# KiCad board JumperlessRev3point1.kicad_pcb
title: Jumperless Rev 3.1; date: 2023-11-11; rev: 3.1; company: Architeuthis Flux; note: Kevin Santo Cappuccio; note: KevinC@ppucc.io
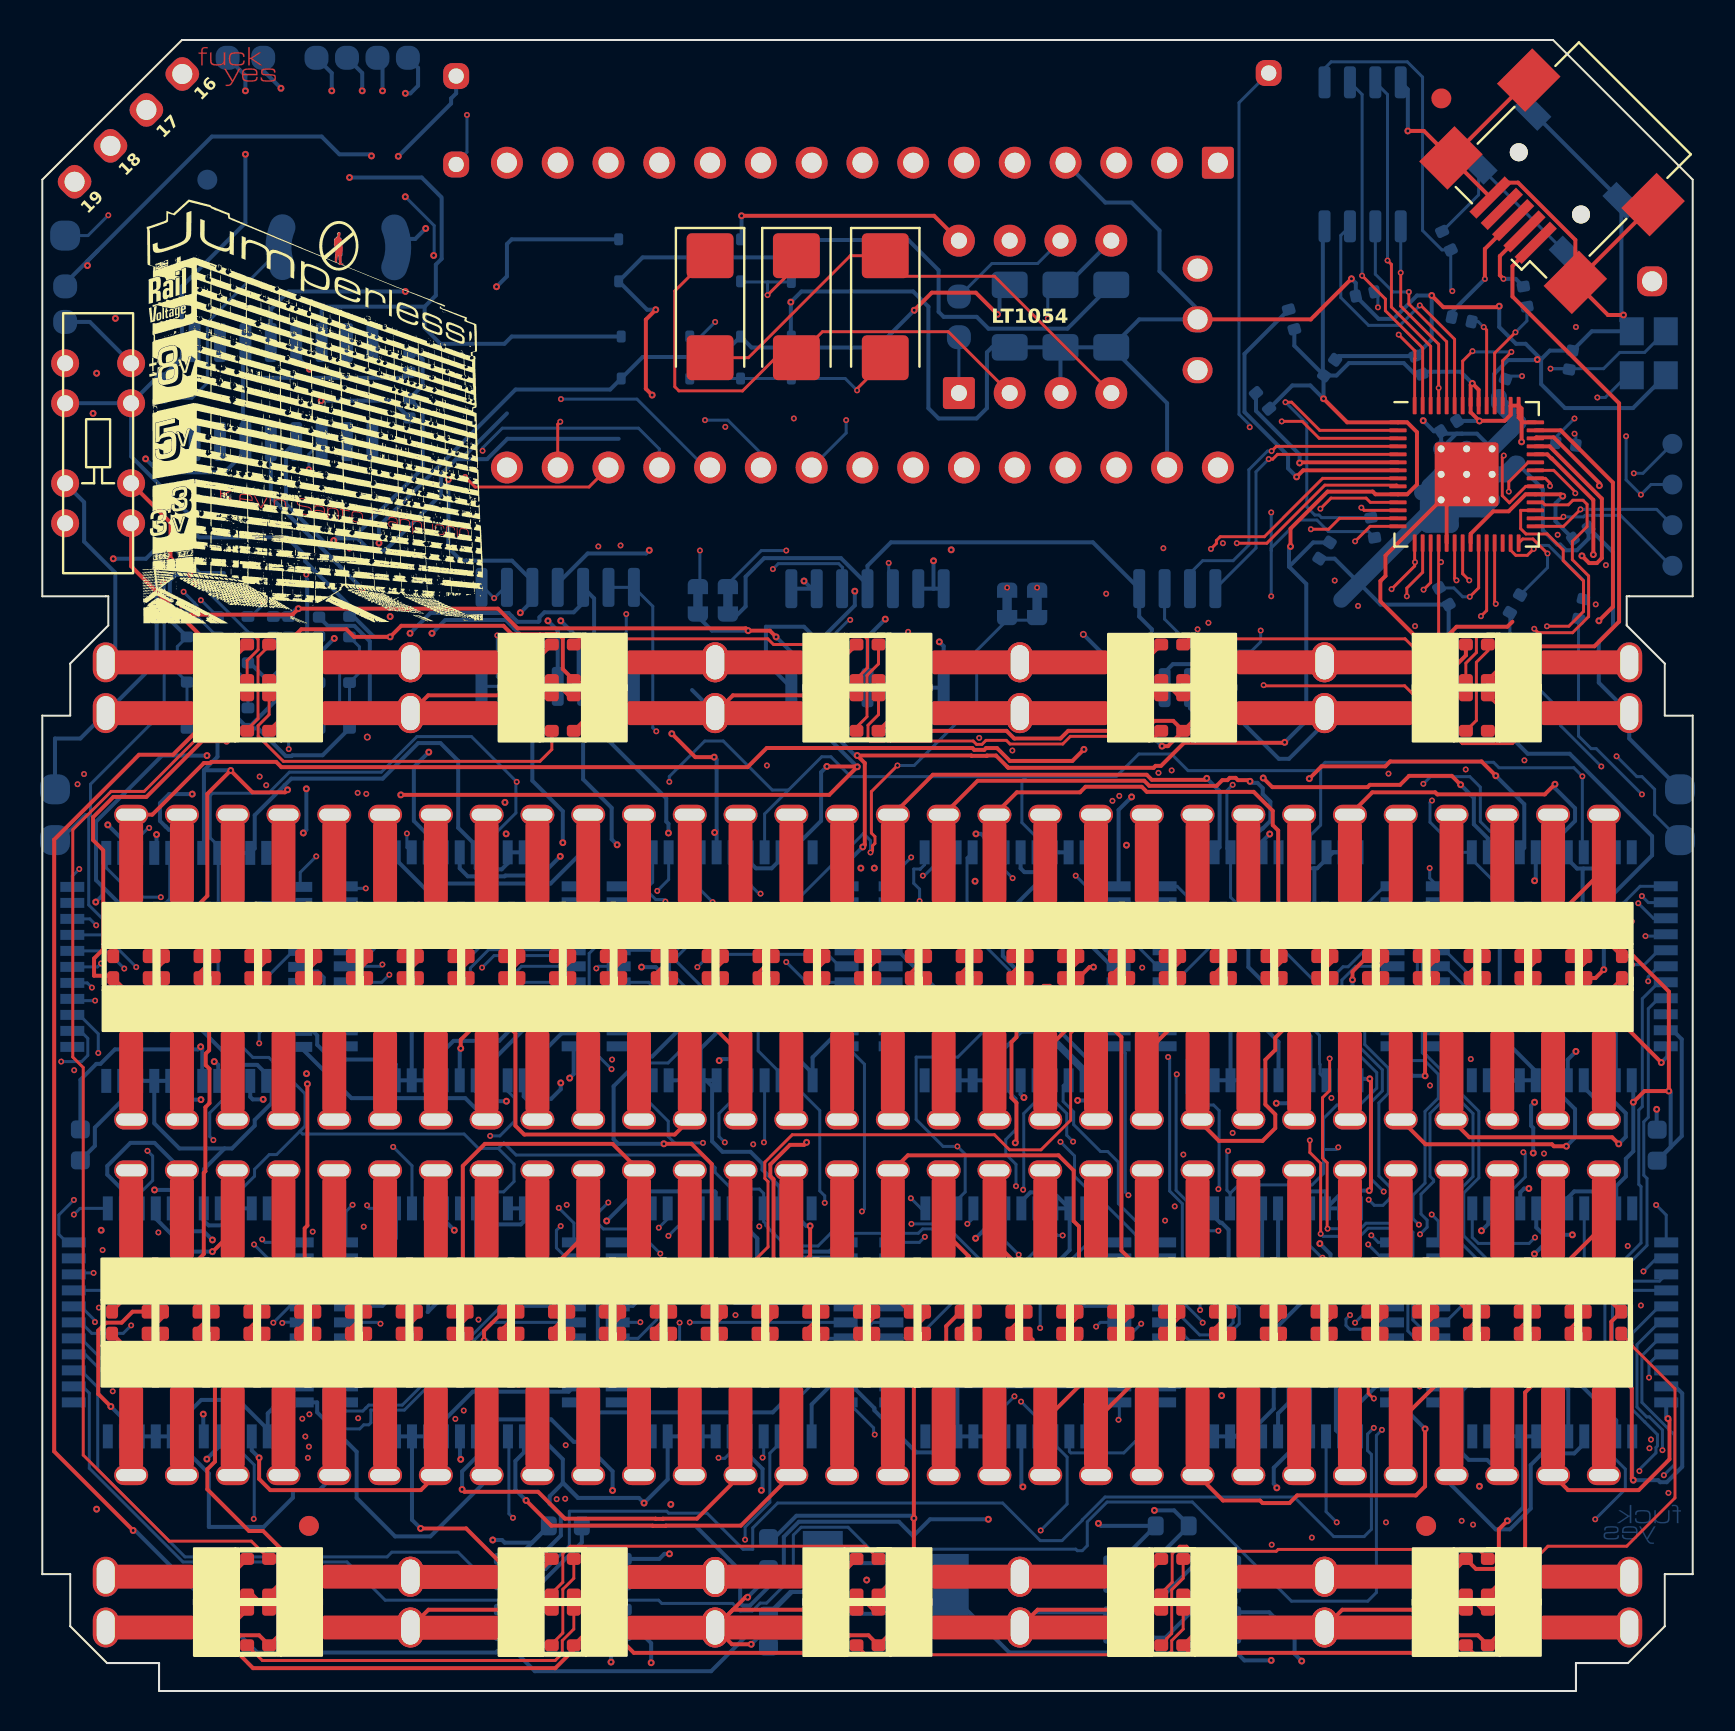
[diagram p0: board, top side]
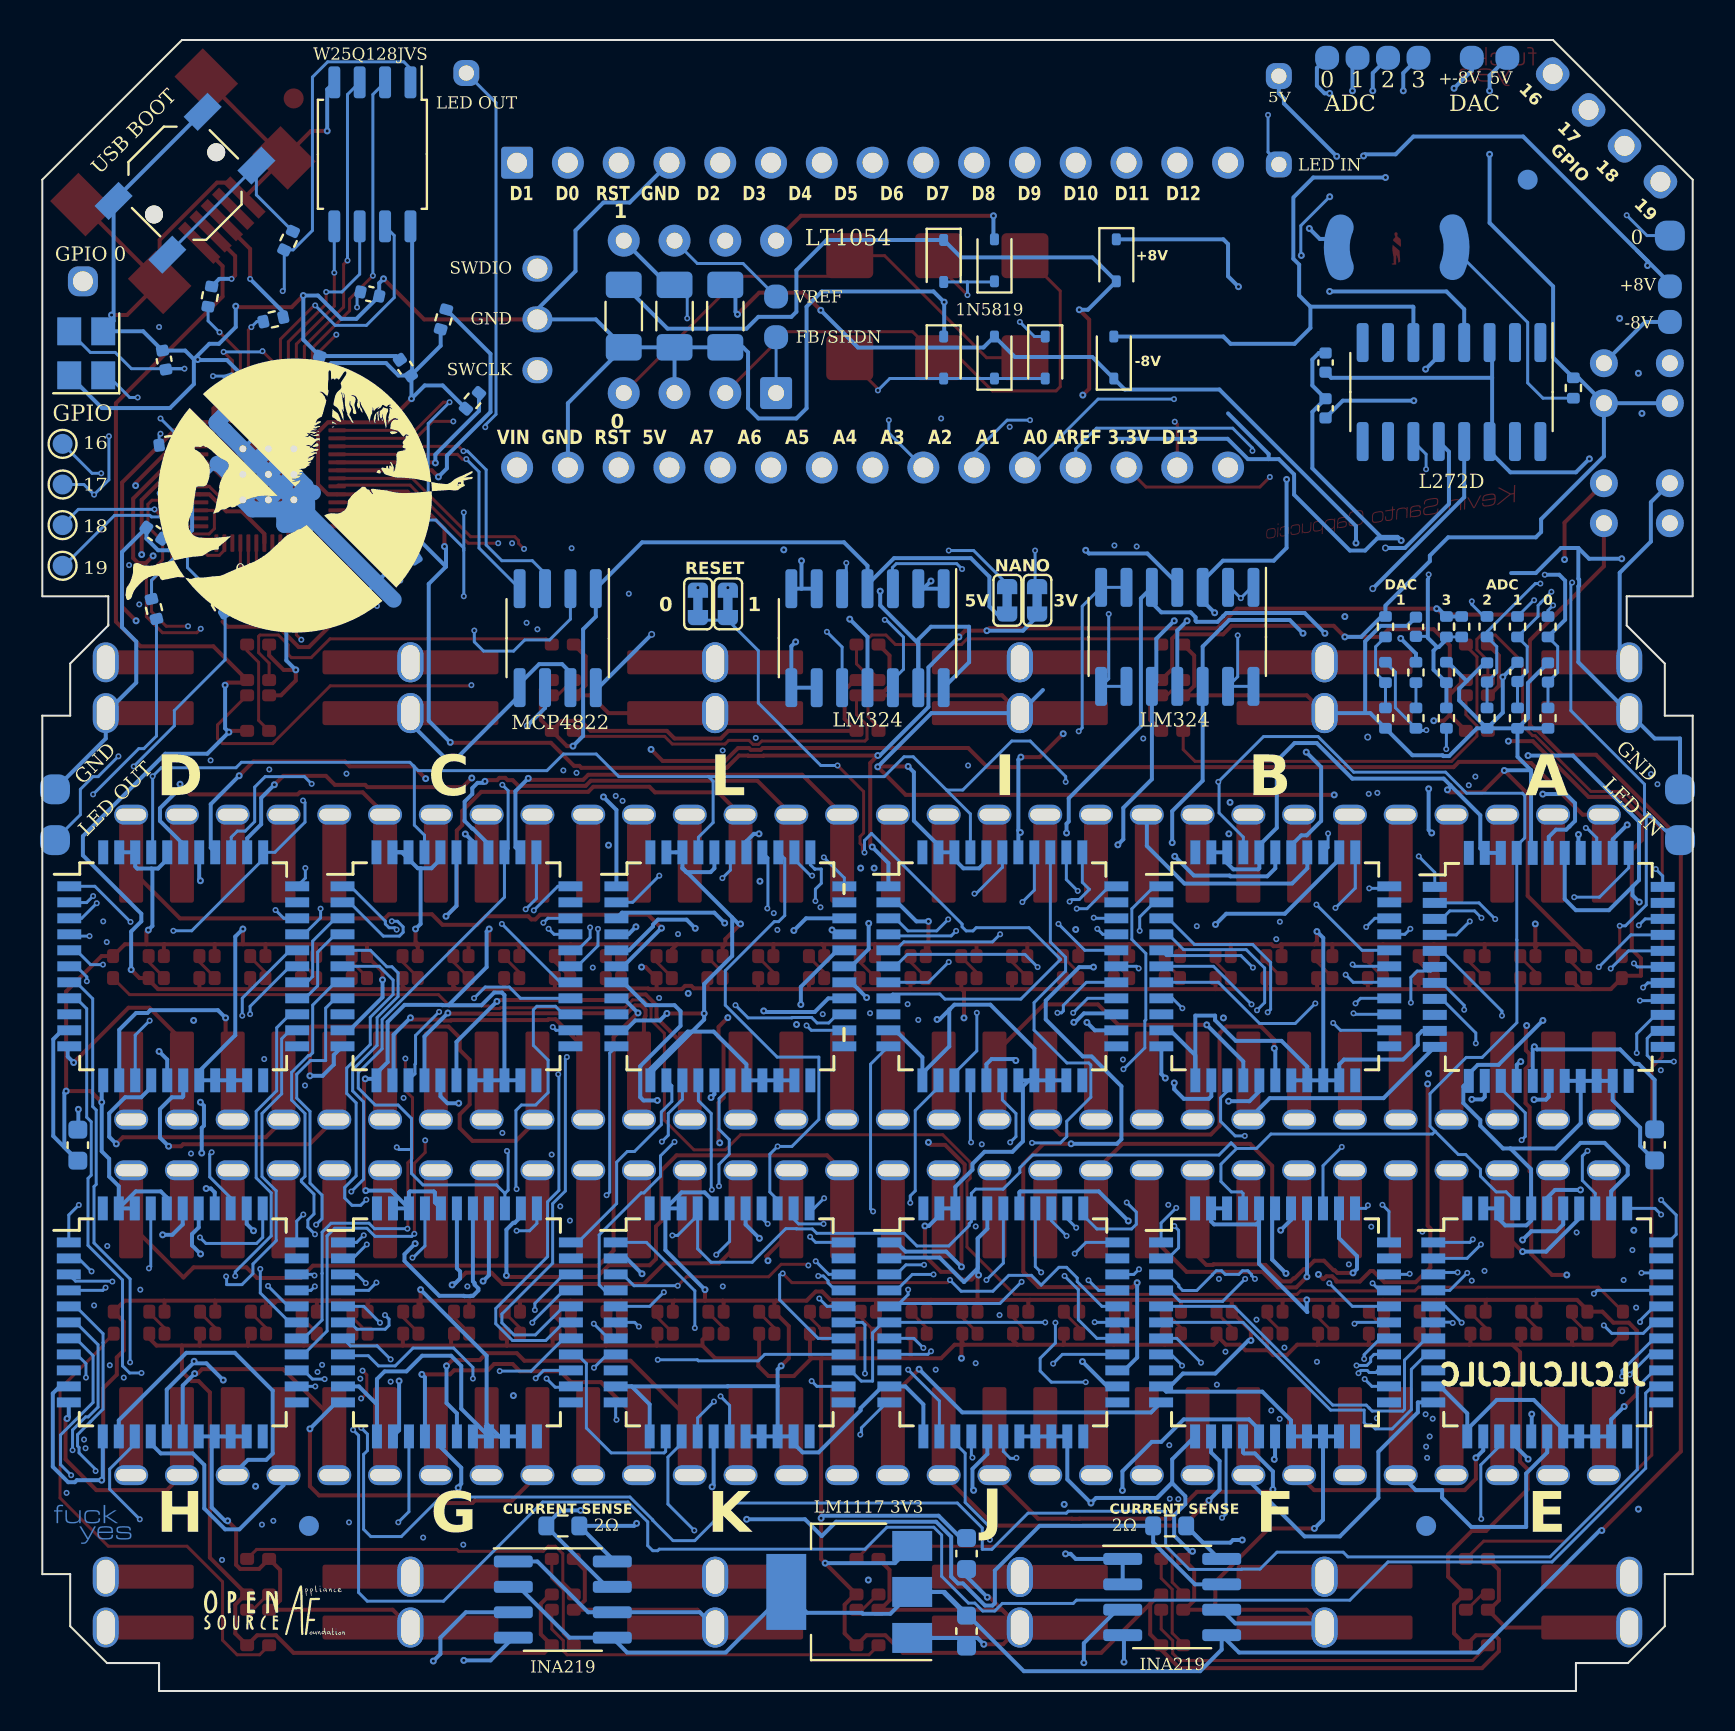
[diagram p1: board, bottom side, seen from below]

Outline 82.55 x 82.55 mm; copper layers: Top, In1.Cu, In2.Cu, Bottom. Coordinates in mm from the lower left corner of the outline.
Outline path: 0,75.56 6.98,82.55 75.56,82.55 82.55,75.56 82.55,54.74 79.25,54.74 79.25,53.28 81.15,51.37 81.15,48.77 82.55,48.77 82.55,5.84 81.15,5.84 81.15,3.24 79.31,1.4 76.71,1.4 76.71,0 5.84,0 5.84,1.4 3.24,1.4 1.4,3.24 1.4,5.84 0,5.84 0,48.77 1.4,48.77 1.4,51.37 3.3,53.28 3.3,54.74 0,54.74 0,75.56
Stack: Top 0.035mm / dielectric 0.1mm FR4 er 4.5 / In1.Cu 0.035mm / dielectric 1.24mm FR4 er 4.5 / In2.Cu 0.035mm / dielectric 0.1mm FR4 er 4.5 / Bottom 0.035mm

## Placement (name value [footprint] x y rotation side)
A1  Arduino_Nano_v3.x  [Arduino_Nano]  58.8 76.41 270 top
A2  CH446Q  [LQFP44_Tight]  6.79 36.61 180 bottom
B1  CH446Q  [LQFP44_Tight]  20.47 36.63 180 bottom
C1  100uF  [C_1206_3216Metric_Pad1.33x1.80mm_HandSolder]  53.47 68.75 270 bottom
C2  10uF  [CP_EIA-6032-20_AVX-F_Pad2.25x2.35mm_HandSolder]  37.72 69.22 270 top
C3  10uF  [CP_EIA-6032-20_AVX-F_Pad2.25x2.35mm_HandSolder]  33.4 69.22 270 top
C4  100uF  [C_1206_3216Metric_Pad1.33x1.80mm_HandSolder]  50.93 68.75 90 bottom
C5  10uF  [CP_EIA-6032-20_AVX-F_Pad2.25x2.35mm_HandSolder]  42.16 69.22 270 top
C6  100uF  [C_1206_3216Metric_Pad1.33x1.80mm_HandSolder]  48.39 68.75 90 bottom
C7  10u  [C_0603_1608Metric]  36.32 6.87 270 bottom
C8  10u  [C_0603_1608Metric]  36.32 3 270 bottom
C9  1u  [C_0402_1005Metric]  66.17 69.85 192.5 bottom
C10  .1uF  [C_0402_1005Metric]  18.36 64.13 90 bottom
C11  1u  [C_0402_1005Metric]  70.1 54.74 300 bottom
C12  1u  [C_0402_1005Metric]  64.39 66.17 55 bottom
C13  27p  [C_0402_1005Metric]  73.03 65.15 250 bottom
C14  27p  [C_0402_1005Metric]  76.45 66.55 80 bottom
C15  .1uF  [C_0402_1005Metric]  18.36 66.42 90 bottom
C16  10uF  [C_0603_1608Metric]  80.77 27.29 270 bottom
C17  27p  [C_0402_1005Metric]  7.24 50.93 90 bottom
C18  1u  [C_0402_1005Metric]  64.14 57.02 237.5 bottom
C19  1u  [C_0402_1005Metric]  68.83 66.29 110 bottom
C20  1u  [C_0402_1005Metric]  70.36 63.25 212.5 bottom
C21  1u  [C_0402_1005Metric]  76.95 57.89 35 bottom
C22  27p  [C_0402_1005Metric]  8.76 50.95 90 bottom
C23  27p  [C_0402_1005Metric]  10.29 50.93 90 bottom
C24  27p  [C_0402_1005Metric]  13.84 53.21 90 bottom
C25  10uF  [C_0603_1608Metric]  1.9 27.3 90 bottom
C26  CH446Q  [LQFP44_Tight]  61.43 36.64 180 bottom
D1  WS2812B  [LED_WS2812B-2020_PLCC4_2.0x2.0mm]  4.44 36.2 90 top
D2  WS2812B  [LED_WS2812B-2020_PLCC4_2.0x2.0mm]  6.98 36.2 90 top
D3  WS2812B  [LED_WS2812B-2020_PLCC4_2.0x2.0mm]  9.52 36.2 90 top
D4  WS2812B  [LED_WS2812B-2020_PLCC4_2.0x2.0mm]  12.06 36.2 90 top
D5  WS2812B  [LED_WS2812B-2020_PLCC4_2.0x2.0mm]  14.6 36.2 90 top
D6  WS2812B  [LED_WS2812B-2020_PLCC4_2.0x2.0mm]  17.14 36.2 90 top
D7  WS2812B  [LED_WS2812B-2020_PLCC4_2.0x2.0mm]  19.68 36.2 90 top
D8  WS2812B  [LED_WS2812B-2020_PLCC4_2.0x2.0mm]  22.22 36.2 90 top
D9  WS2812B  [LED_WS2812B-2020_PLCC4_2.0x2.0mm]  24.76 36.2 90 top
D10  WS2812B  [LED_WS2812B-2020_PLCC4_2.0x2.0mm]  27.3 36.2 90 top
D11  WS2812B  [LED_WS2812B-2020_PLCC4_2.0x2.0mm]  29.84 36.19 90 top
D12  WS2812B  [LED_WS2812B-2020_PLCC4_2.0x2.0mm]  32.39 36.19 90 top
D13  WS2812B  [LED_WS2812B-2020_PLCC4_2.0x2.0mm]  34.93 36.19 90 top
D14  WS2812B  [LED_WS2812B-2020_PLCC4_2.0x2.0mm]  37.47 36.19 90 top
D15  WS2812B  [LED_WS2812B-2020_PLCC4_2.0x2.0mm]  40.01 36.19 90 top
D16  WS2812B  [LED_WS2812B-2020_PLCC4_2.0x2.0mm]  42.55 36.19 90 top
D17  WS2812B  [LED_WS2812B-2020_PLCC4_2.0x2.0mm]  45.09 36.19 90 top
D18  WS2812B  [LED_WS2812B-2020_PLCC4_2.0x2.0mm]  47.63 36.19 90 top
D19  WS2812B  [LED_WS2812B-2020_PLCC4_2.0x2.0mm]  50.17 36.19 90 top
D20  WS2812B  [LED_WS2812B-2020_PLCC4_2.0x2.0mm]  52.71 36.19 90 top
D21  WS2812B  [LED_WS2812B-2020_PLCC4_2.0x2.0mm]  55.25 36.2 90 top
D22  WS2812B  [LED_WS2812B-2020_PLCC4_2.0x2.0mm]  57.8 36.2 90 top
D23  WS2812B  [LED_WS2812B-2020_PLCC4_2.0x2.0mm]  60.34 36.2 90 top
D24  WS2812B  [LED_WS2812B-2020_PLCC4_2.0x2.0mm]  62.88 36.2 90 top
D25  WS2812B  [LED_WS2812B-2020_PLCC4_2.0x2.0mm]  65.42 36.2 90 top
D26  WS2812B  [LED_WS2812B-2020_PLCC4_2.0x2.0mm]  67.96 36.2 90 top
D27  WS2812B  [LED_WS2812B-2020_PLCC4_2.0x2.0mm]  70.5 36.2 90 top
D28  WS2812B  [LED_WS2812B-2020_PLCC4_2.0x2.0mm]  73.04 36.2 90 top
D29  WS2812B  [LED_WS2812B-2020_PLCC4_2.0x2.0mm]  75.58 36.2 90 top
D30  WS2812B  [LED_WS2812B-2020_PLCC4_2.0x2.0mm]  78.12 36.2 90 top
D31  WS2812B  [LED_WS2812B-2020_PLCC4_2.0x2.0mm]  4.38 18.42 90 top
D32  WS2812B  [LED_WS2812B-2020_PLCC4_2.0x2.0mm]  6.93 18.42 90 top
D33  WS2812B  [LED_WS2812B-2020_PLCC4_2.0x2.0mm]  9.47 18.42 90 top
D34  WS2812B  [LED_WS2812B-2020_PLCC4_2.0x2.0mm]  12.01 18.42 90 top
D35  WS2812B  [LED_WS2812B-2020_PLCC4_2.0x2.0mm]  14.55 18.42 90 top
D36  WS2812B  [LED_WS2812B-2020_PLCC4_2.0x2.0mm]  17.09 18.42 90 top
D37  WS2812B  [LED_WS2812B-2020_PLCC4_2.0x2.0mm]  19.63 18.42 90 top
D38  WS2812B  [LED_WS2812B-2020_PLCC4_2.0x2.0mm]  22.17 18.42 90 top
D39  WS2812B  [LED_WS2812B-2020_PLCC4_2.0x2.0mm]  24.71 18.42 90 top
D40  WS2812B  [LED_WS2812B-2020_PLCC4_2.0x2.0mm]  27.25 18.42 90 top
D41  WS2812B  [LED_WS2812B-2020_PLCC4_2.0x2.0mm]  29.79 18.42 90 top
D42  WS2812B  [LED_WS2812B-2020_PLCC4_2.0x2.0mm]  32.34 18.41 90 top
D43  WS2812B  [LED_WS2812B-2020_PLCC4_2.0x2.0mm]  34.88 18.41 90 top
D44  WS2812B  [LED_WS2812B-2020_PLCC4_2.0x2.0mm]  37.42 18.41 90 top
D45  WS2812B  [LED_WS2812B-2020_PLCC4_2.0x2.0mm]  39.96 18.41 90 top
D46  WS2812B  [LED_WS2812B-2020_PLCC4_2.0x2.0mm]  42.5 18.41 90 top
D47  WS2812B  [LED_WS2812B-2020_PLCC4_2.0x2.0mm]  45.04 18.41 90 top
D48  WS2812B  [LED_WS2812B-2020_PLCC4_2.0x2.0mm]  47.58 18.41 90 top
D49  WS2812B  [LED_WS2812B-2020_PLCC4_2.0x2.0mm]  50.12 18.41 90 top
D50  WS2812B  [LED_WS2812B-2020_PLCC4_2.0x2.0mm]  52.67 18.41 90 top
D51  WS2812B  [LED_WS2812B-2020_PLCC4_2.0x2.0mm]  55.22 18.42 90 top
D52  WS2812B  [LED_WS2812B-2020_PLCC4_2.0x2.0mm]  57.77 18.42 90 top
D53  WS2812B  [LED_WS2812B-2020_PLCC4_2.0x2.0mm]  60.31 18.42 90 top
D54  WS2812B  [LED_WS2812B-2020_PLCC4_2.0x2.0mm]  62.85 18.42 90 top
D55  WS2812B  [LED_WS2812B-2020_PLCC4_2.0x2.0mm]  65.39 18.42 90 top
D56  WS2812B  [LED_WS2812B-2020_PLCC4_2.0x2.0mm]  67.93 18.42 90 top
D57  WS2812B  [LED_WS2812B-2020_PLCC4_2.0x2.0mm]  70.47 18.42 90 top
D58  WS2812B  [LED_WS2812B-2020_PLCC4_2.0x2.0mm]  73.01 18.42 90 top
D59  WS2812B  [LED_WS2812B-2020_PLCC4_2.0x2.0mm]  75.55 18.42 90 top
D60  WS2812B  [LED_WS2812B-2020_PLCC4_2.0x2.0mm]  78.09 18.42 90 top
D61  1N5819  [D_SOD-323]  37.47 71.5 270 bottom
D62  1N5819  [D_SOD-323]  34.92 71.53 90 bottom
D63  1N4148  [D_SOD-323]  28.83 71.53 270 bottom
D65  1N5819  [D_SOD-323]  32.39 66.67 270 bottom
D66  1N4148  [D_SOD-323]  28.96 66.67 90 bottom
D67  1N5819  [D_SOD-323]  34.92 66.67 90 bottom
D68  1N5819  [D_SOD-323]  37.47 66.67 270 bottom
D70  CH446Q  [LQFP44_Tight]  75.09 36.64 180 bottom
D71  WS2812B  [LED_WS2812B-2020_PLCC4_2.0x2.0mm]  71.75 3.17 180 top
D72  WS2812B  [LED_WS2812B-2020_PLCC4_2.0x2.0mm]  71.75 5.72 180 top
D73  WS2812B  [LED_WS2812B-2020_PLCC4_2.0x2.0mm]  56.52 5.72 180 top
D74  WS2812B  [LED_WS2812B-2020_PLCC4_2.0x2.0mm]  56.52 3.17 180 top
D75  WS2812B  [LED_WS2812B-2020_PLCC4_2.0x2.0mm]  41.28 3.17 180 top
D76  WS2812B  [LED_WS2812B-2020_PLCC4_2.0x2.0mm]  41.28 5.72 180 top
D77  WS2812B  [LED_WS2812B-2020_PLCC4_2.0x2.0mm]  26.04 5.72 180 top
D78  WS2812B  [LED_WS2812B-2020_PLCC4_2.0x2.0mm]  26.04 3.17 180 top
D79  WS2812B  [LED_WS2812B-2020_PLCC4_2.0x2.0mm]  10.79 3.17 180 top
D80  WS2812B  [LED_WS2812B-2020_PLCC4_2.0x2.0mm]  10.79 5.72 180 top
D81  WS2812B  [LED_WS2812B-2020_PLCC4_2.0x2.0mm]  10.79 51.43 180 top
D82  WS2812B  [LED_WS2812B-2020_PLCC4_2.0x2.0mm]  10.79 48.89 180 top
D83  WS2812B  [LED_WS2812B-2020_PLCC4_2.0x2.0mm]  26.04 48.89 180 top
D84  WS2812B  [LED_WS2812B-2020_PLCC4_2.0x2.0mm]  26.04 51.43 180 top
D85  WS2812B  [LED_WS2812B-2020_PLCC4_2.0x2.0mm]  41.28 51.43 180 top
D86  WS2812B  [LED_WS2812B-2020_PLCC4_2.0x2.0mm]  41.28 48.89 180 top
D87  WS2812B  [LED_WS2812B-2020_PLCC4_2.0x2.0mm]  56.52 48.89 180 top
D88  WS2812B  [LED_WS2812B-2020_PLCC4_2.0x2.0mm]  56.52 51.43 180 top
D89  WS2812B  [LED_WS2812B-2020_PLCC4_2.0x2.0mm]  71.75 51.43 180 top
D90  WS2812B  [LED_WS2812B-2020_PLCC4_2.0x2.0mm]  71.75 48.89 180 top
D91  LED  [LED_PLCC2_reversemount]  14.81 72.19 0 bottom
E1  CH446Q  [LQFP44_Tight]  6.87 18.83 180 bottom
F5  CH446Q  [LQFP44_Tight]  20.48 18.83 180 bottom
FID1  Fiducial  [Fiducial_1mm_Mask2mm]  13.33 8.25 0 top
FID2  Fiducial  [Fiducial_1mm_Mask2mm]  13.33 8.25 180 bottom
FID3  Fiducial  [Fiducial_1mm_Mask2mm]  69.22 8.25 180 bottom
FID4  Fiducial  [Fiducial_1mm_Mask2mm]  8.25 75.56 180 bottom
FID5  Fiducial  [Fiducial_1mm_Mask2mm]  69.22 8.25 0 top
FID6  Fiducial  [Fiducial_1mm_Mask2mm]  69.98 79.63 0 top
G1  CH446Q  [LQFP44_Tight]  61.4 18.83 180 bottom
H1  CH446Q  [LQFP44_Tight]  75.12 18.83 180 bottom
I1  CH446Q  [LQFP44_Tight]  34.12 36.63 180 bottom
J1  Debug  [PinHeader_1x03_P2.54mm_Vertical]  57.78 66.04 180 top
J4  Breadboard  [Breadboard_CustomClips_Fallback]  41.28 27.3 0 top
J5  USB_B_Mini  [USB_Mini-B_Wuerth_65100516121_Horizontal]  75.41 75.38 135 top
J6  CH446Q  [LQFP44_Tight]  34.07 18.83 180 bottom
J7  Conn_01x04_Pin  [GPIO_header]  4.31 78.16 225 top
J14  5V  [PINHEADER-1x1_vertical]  20.7 80.75 0 top
JP1  NANO 3V3  [SolderJumper_2_Bridged_Small]  32.79 54.53 90 bottom
JP2  NANO 5V  [SolderJumper_2_Bridged_Small]  34.29 54.53 90 bottom
JP13  Jumper_2_Bridged  [SolderJumper_2_Bridged_Small]  49.76 54.36 90 bottom
JP14  Jumper_2_Bridged  [SolderJumper_2_Bridged_Small]  48.26 54.36 90 bottom
K1  CH446Q  [LQFP44_Tight]  47.76 18.83 180 bottom
L1  CH446Q  [LQFP44_Tight]  47.73 36.63 180 bottom
R1  2Ω  [R_0603_1608Metric]  26.16 8.25 0 bottom
R2  22R  [R_0402_1005Metric]  70.99 68.58 347.5 bottom
R3  22R  [R_0402_1005Metric]  74.17 69.72 280 bottom
R4  2Ω  [R_0603_1608Metric]  56.52 8.25 0 bottom
R5  1k  [R_0402_1005Metric]  70.23 72.52 115 bottom
R6  1K  [R_0402_1005Metric]  7.24 53.21 270 bottom
R7  1K  [R_0402_1005Metric]  66.55 58.17 280 bottom
R8  1K  [R_0402_1005Metric]  8.76 53.21 270 bottom
R9  1K  [R_0402_1005Metric]  73.66 54.36 240 bottom
R10  1K  [R_0402_1005Metric]  10.29 53.22 270 bottom
R11  1K  [R_0402_1005Metric]  76.96 54.1 256 bottom
R12  1k  [R_0402_1005Metric]  76.2 62.36 352.5 bottom
R13  47K  [R_0402_1005Metric]  15.37 53.21 90 bottom
R14  47K  [R_0402_1005Metric]  12.32 53.21 270 bottom
R15  10K  [R_0402_1005Metric]  15.37 50.93 90 bottom
R16  47K  [R_0402_1005Metric]  13.84 50.93 90 bottom
R17  68K  [R_0402_1005Metric]  12.32 48.64 90 bottom
R18  56.2K  [R_0402_1005Metric]  15.37 48.64 90 bottom
R19  47K  [R_0402_1005Metric]  12.32 50.93 90 bottom
R20  56.2K  [R_0402_1005Metric]  13.84 48.64 90 bottom
R21  2K  [R_0402_1005Metric]  7.24 48.64 270 bottom
R22  2K  [R_0402_1005Metric]  8.76 48.64 270 bottom
R23  2K  [R_0402_1005Metric]  10.29 48.64 270 bottom
R24  1K  [R_0402_1005Metric]  5.97 65.15 90 bottom
R26  2K  [R_0402_1005Metric]  62.48 68.58 106 bottom
R27  2K  [R_0402_1005Metric]  61.03 64.51 130 bottom
R29  68K  [R_0402_1005Metric]  11.56 53.21 270 bottom
SW1  USB BOOT  [SW_SPST_TL3342]  75.41 75.39 135 bottom
SW2  SW_DP3T  [Slide_Switch_SSSS223600]  2.79 66.39 0 top
TP1  GPIO 16  [TestPoint_Pad_D1.0mm]  81.53 62.36 180 bottom
TP2  GPIO 17  [TestPoint_Pad_D1.0mm]  81.53 60.32 180 bottom
TP3  GPIO 18  [TestPoint_Pad_D1.0mm]  81.53 58.29 180 bottom
TP4  GPIO 19  [TestPoint_Pad_D1.0mm]  81.53 56.26 180 bottom
TP5  FB/SHDN  [TestPoint_D0.75mm]  45.85 67.69 180 bottom
TP6  VREF  [TestPoint_D0.75mm]  45.85 69.72 180 bottom
TP7  0-5V DAC  [TestPoint_D0.75mm]  9.27 81.66 180 bottom
TP8  +-8V DAC  [TestPoint_D0.75mm]  11.05 81.66 180 bottom
TP9  ADC 0 IN  [TestPoint_D0.75mm]  18.29 81.66 180 bottom
TP10  ADC 1 IN  [TestPoint_D0.75mm]  16.76 81.66 180 bottom
TP11  ADC 2 IN  [TestPoint_D0.75mm]  15.24 81.66 180 bottom
TP12  ADC 3 IN  [TestPoint_D0.75mm]  13.72 81.66 180 bottom
TP13  -8V  [TestPoint_D0.75mm]  1.14 68.45 270 bottom
TP14  +8V  [TestPoint_D0.75mm]  1.14 70.23 0 bottom
TP15  LED OUT  [TestPoint_Pad_D1.0mm#2]  81.92 42.55 90 bottom
TP16  GPIO 0  [TestPoint_Pad_D1.0mm#2]  1.14 72.77 0 bottom
TP17  LED IN  [TestPoint_Pad_D1.0mm#2]  0.63 42.55 0 bottom
TP18  GPIO 0  [PINHEADER-1x1_vertical#2]  80.52 70.48 0 top
TP19  GND  [TestPoint_Pad_D1.0mm#2]  81.92 45.09 0 bottom
TP20  LED OUT  [PINHEADER-1x1_vertical]  61.34 80.9 0 top
TP21  LED IN  [PINHEADER-1x1_vertical]  20.7 76.33 0 top
TP22  TestPoint  [BackMaskWindows]  23.5 59.05 0 bottom
TP23  TestPoint  [BackMaskWindows]  23.5 80.78 0 bottom
TP25  GND  [TestPoint_Pad_D1.0mm#2]  0.63 45.09 0 bottom
U1  LT1054  [DIP-8_W7.62mm]  45.85 64.9 90 top
U2  NCP1117-3.3_SOT223  [SOT-223-3_TabPin2]  42.19 4.95 0 bottom
U4  INA219  [SOIC-8_3.9x4.9mm_P1.27mm]  26.04 4.7 180 bottom
U6  INA219  [SOIC-8_3.9x4.9mm_P1.27mm]  56.52 4.57 180 bottom
U7  LM324  [SOIC-14_3.9x8.7mm_P1.27mm]  25.78 52.7 270 bottom
U8  W25Q128JVS  [SOIC-8_5.23x5.23mm_P1.27mm]  66.04 76.83 270 bottom
U9  RP2040  [RP2040-QFN-56]  71.24 60.83 0 top
U10  L272D  [SOIC-16_3.9x9.9mm_P1.27mm]  12.07 64.95 270 bottom
U11  LM324  [SOIC-14_3.9x8.7mm_P1.27mm]  41.28 52.64 270 bottom
U12  MCP4822  [SOIC-8_3.9x4.9mm_P1.27mm]  56.77 52.64 270 bottom
Y1  ABLS-12.000MHZ-B4-T  [Crystal_SMD_3225-4Pin_3.2x2.5mm]  80.35 66.89 90 bottom

## Library data of the parts
A1 = -: Description: Arduino Nano v3.x; Field4: USB
C7-C15 C17-C24 = -: Description: Unpolarized capacitor
D1-D60 D71-D90 = -: Description: RGB LED with integrated controller
D61 D62 D65 D67 D68 = -: Description: 40V 1A Schottky Barrier Rectifier Diode, DO-41
D63 D66 = -: Description: 75V 0.15A Fast Switching Diode, SOD-123
D91 = -: Description: Light emitting diode
FID1-FID6 = -: Description: Fiducial Marker
J1 = -: Description: Generic connector, single row, 01x03, script generated
J5 = -: Description: USB Micro Type B connector
J7 = -: Description: Generic connector, single row, 01x04, script generated
J14 = -: Description: Generic connector, single row, 01x01, script generated
JP1 JP2 = -: Description: Solder Jumper, 2-pole, closed/bridged
JP13 JP14 = -: Description: Jumper, 2-pole, closed/bridged
R1 R4 R6-R11 R14 R17 R19 R21-R24 R26 R27 R29 = -: Description: Resistor, small US symbol
R2 R3 R5 R12 = -: Description: Resistor
SW1 = -: Description: Push button switch, generic, two pins
SW2 = -: Description: Switch, three position, dual pole triple throw, 3 position switch, SP3T
TP1-TP5 TP9-TP12 TP15-TP23 TP25 = -: Description: test point
TP6 TP13 TP14 = -: Description: test point; Field4: 2
TP7 = -: Description: test point; Field4: 0
TP8 = -: Description: test point; Field4: 1
U1 = -: Description: Switched-Capacitor Voltage Converter with Regulator, output current 125mA, operating range 3.5V to 15V, low loss 1.1V at 100mA, DIP-8/SO-8
U2 = -: Description: 1A Low drop-out regulator, Fixed Output 3.3V, SOT-223
U4 U6 = -: Description: Zero-Drift, Bidirectional Current/Power Monitor (0-26V) With I2C Interface, SOIC-8
U7 U11 = -: Description: Low-Power, Quad-Operational Amplifiers, DIP-14/SOIC-14/SSOP-14
U10 = -: Description: Dual Power Operation Amplifier, SOIC-16
U12 = -: Description: 2-Channel 12-Bit D/A Converters with SPI Interface and Internal Reference (2.048V)
Y1 = -: Description: Four pin crystal, GND on pins 2 and 4, small symbol

## Footprints (pads in the part's own frame, mm; a bottom-side part is the same pattern mirrored in y, then rotated)
Arduino_Nano
  rrect 1.6x1.6 hole 1: 1(0,0)
  oval 1.6x1.6 hole 1: 2(0,-2.54) 3(0,-5.08) 4(0,-7.62) 5(0,-10.16) 6(0,-12.7) 7(0,-15.24) 8(0,-17.78) 9(0,-20.32) 10(0,-22.86) 11(0,-25.4) 12(0,-27.94) 13(0,-30.48) 14(0,-33.02) 15(0,-35.56) 16(15.24,-35.56) 17(15.24,-33.02) 18(15.24,-30.48) 19(15.24,-27.94) 20(15.24,-25.4) 21(15.24,-22.86) 22(15.24,-20.32) 23(15.24,-17.78) 24(15.24,-15.24) 25(15.24,-12.7) 26(15.24,-10.16) 27(15.24,-7.62) 28(15.24,-5.08) 29(15.24,-2.54) 30(15.24,0)
Breadboard_CustomClips_Fallback
  rrect 4x1.2 smd: 0(-38.1,21.59) 0(-22.86,21.59) 0(-22.86,21.59) 0(-7.62,21.59) 0(-7.62,21.59) 0(7.62,21.59) 0(7.62,21.59) 0(22.86,21.59) 0(22.86,21.59) 0(38.1,21.59) 31(-38.1,24.13) 31(-22.86,24.13) 31(-22.86,24.13) 31(-7.62,24.13) 31(-7.62,24.13) 31(7.62,24.13) 31(7.62,24.13) 31(22.86,24.13) 31(22.86,24.13) 31(38.1,24.13) 32(-38.1,-24.13) 32(-22.86,-24.13) 32(-22.86,-24.143) 32(-7.62,-24.13) 32(-7.62,-24.143) 32(7.62,-24.13) 32(7.62,-24.13) 32(22.86,-24.13) 32(22.86,-24.13) 32(38.1,-24.13) 63(-38.1,-21.59) 63(-22.86,-21.59) 63(-22.86,-21.603) 63(-7.62,-21.59) 63(-7.62,-21.603) 63(7.62,-21.59) 63(7.62,-21.59) 63(22.86,-21.59) 63(22.86,-21.59) 63(38.1,-21.59)
  oval 1.3x2 hole 0.9x1.7: 0(-38.1,21.59) 0(-22.86,21.59) 0(-22.86,21.59) 0(-7.62,21.59) 0(-7.62,21.59) 0(7.62,21.59) 0(7.62,21.59) 0(22.86,21.59) 0(22.86,21.59) 0(38.1,21.59) 31(-38.1,24.13) 31(-22.86,24.13) 31(-22.86,24.13) 31(-7.62,24.13) 31(-7.62,24.13) 31(7.62,24.13) 31(7.62,24.13) 31(22.86,24.13) 31(22.86,24.13) 31(38.1,24.13) 32(-38.1,-24.13) 32(-22.86,-24.13) 32(-22.86,-24.13) 32(-7.62,-24.13) 32(-7.62,-24.13) 32(7.62,-24.13) 32(7.62,-24.13) 32(22.86,-24.13) 32(22.86,-24.13) 32(38.1,-24.13) 63(-38.1,-21.59) 63(-22.86,-21.59) 63(-22.86,-21.59) 63(-7.62,-21.603) 63(-7.62,-21.603) 63(7.62,-21.59) 63(7.62,-21.59) 63(22.86,-21.59) 63(22.86,-21.59) 63(38.1,-21.59)
  rrect 1.2x4 smd: 1(-36.83,16.51) 1(-36.83,1.27) 2(-34.29,16.51) 2(-34.29,1.27) 3(-31.75,16.51) 3(-31.75,1.27) 4(-29.21,16.51) 4(-29.21,1.27) 5(-26.67,16.51) 5(-26.67,1.27) 6(-24.13,16.51) 6(-24.13,1.27) 7(-21.59,16.51) 7(-21.59,1.27) 8(-19.05,16.51) 8(-19.05,1.27) 9(-16.51,16.51) 9(-16.51,1.27) 10(-13.97,16.51) 10(-13.97,1.27) 11(-11.43,16.51) 11(-11.43,1.27) 12(-8.89,16.51) 12(-8.89,1.27) 13(-6.35,16.51) 13(-6.35,1.27) 14(-3.81,16.51) 14(-3.81,1.27) 15(-1.27,16.51) 15(-1.27,1.27) 16(1.27,16.51) 16(1.27,1.27) 17(3.81,16.51) 17(3.81,1.27) 18(6.35,16.51) 18(6.35,1.27) 19(8.89,16.51) 19(8.89,1.27) 20(11.43,16.51) 20(11.43,1.27) 21(13.97,16.51) 21(13.97,1.27) 22(16.51,16.51) 22(16.51,1.27) 23(19.05,16.51) 23(19.05,1.27) 24(21.59,16.51) 24(21.59,1.27) 25(24.13,16.51) 25(24.13,1.27) 26(26.67,16.51) 26(26.67,1.27) 27(29.21,16.51) 27(29.21,1.27) 28(31.75,16.51) 28(31.75,1.27) 29(34.29,16.51) 29(34.29,1.27) 30(36.83,16.51) 30(36.83,1.27) 33(-36.83,-1.27) 33(-36.83,-16.51) 34(-34.29,-1.27) 34(-34.29,-16.51) 35(-31.75,-1.27) 35(-31.75,-16.51) 36(-29.21,-1.27) 36(-29.21,-16.51) 37(-26.67,-1.27) 37(-26.67,-16.51) 38(-24.13,-1.27) 38(-24.13,-16.51) 39(-21.59,-1.27) 39(-21.59,-16.51) 40(-19.05,-1.27) 40(-19.05,-16.51) 41(-16.51,-1.27) 41(-16.51,-16.51) 42(-13.97,-1.27) 42(-13.97,-16.51) 43(-11.43,-1.27) 43(-11.43,-16.51) 44(-8.89,-1.27) 44(-8.89,-16.51) 45(-6.35,-1.27) 45(-6.35,-16.51) 46(-3.81,-1.27) 46(-3.81,-16.51) 47(-1.27,-1.27) 47(-1.27,-16.51) 48(1.27,-1.27) 48(1.27,-16.51) 49(3.81,-1.27) 49(3.81,-16.51) 50(6.35,-1.27) 50(6.35,-16.51) 51(8.89,-1.27) 51(8.89,-16.51) 52(11.43,-1.27) 52(11.43,-16.51) 53(13.97,-1.27) 53(13.97,-16.51) 54(16.51,-1.27) 54(16.51,-16.51) 55(19.05,-1.27) 55(19.05,-16.51) 56(21.59,-1.27) 56(21.59,-16.51) 57(24.13,-1.27) 57(24.13,-16.51) 58(26.67,-1.27) 58(26.67,-16.51) 59(29.21,-1.27) 59(29.21,-16.51) 60(31.75,-1.27) 60(31.75,-16.51) 61(34.29,-1.27) 61(34.29,-16.51) 62(36.83,-1.27) 62(36.83,-16.51)
  oval 1.7x1 hole 1.5x0.6: 1(-36.83,16.51) 1(-36.83,1.27) 2(-34.29,16.51) 2(-34.29,1.27) 3(-31.75,16.51) 3(-31.75,1.27) 4(-29.21,16.51) 4(-29.21,1.27) 5(-26.67,16.51) 5(-26.67,1.27) 6(-24.13,16.51) 6(-24.13,1.27) 7(-21.59,16.51) 7(-21.59,1.27) 8(-19.05,16.51) 8(-19.05,1.27) 9(-16.51,16.51) 9(-16.51,1.27) 10(-13.97,16.51) 10(-13.97,1.27) 11(-11.43,16.51) 11(-11.43,1.27) 12(-8.89,16.51) 12(-8.89,1.27) 13(-6.35,16.51) 13(-6.35,1.27) 14(-3.81,16.51) 14(-3.81,1.27) 15(-1.27,16.51) 15(-1.27,1.27) 16(1.27,16.51) 16(1.27,1.27) 17(3.81,16.51) 17(3.81,1.27) 18(6.35,16.51) 18(6.35,1.27) 19(8.89,16.51) 19(8.89,1.27) 20(11.43,16.51) 20(11.43,1.27) 21(13.97,16.51) 21(13.97,1.27) 22(16.51,16.51) 22(16.51,1.27) 23(19.05,16.51) 23(19.05,1.27) 24(21.59,16.51) 24(21.59,1.27) 25(24.13,16.51) 25(24.13,1.27) 26(26.67,16.51) 26(26.67,1.27) 27(29.21,16.51) 27(29.21,1.27) 28(31.75,16.51) 28(31.75,1.27) 29(34.29,16.51) 29(34.29,1.27) 30(36.83,16.51) 30(36.83,1.27) 33(-36.83,-1.27) 33(-36.83,-16.51) 34(-34.29,-1.27) 34(-34.29,-16.51) 35(-31.75,-1.27) 35(-31.75,-16.51) 36(-29.21,-1.27) 36(-29.21,-16.51) 37(-26.67,-1.27) 37(-26.67,-16.51) 38(-24.13,-1.27) 38(-24.13,-16.51) 39(-21.59,-1.27) 39(-21.59,-16.51) 40(-19.05,-1.27) 40(-19.05,-16.51) 41(-16.51,-1.27) 41(-16.51,-16.51) 42(-13.97,-1.27) 42(-13.97,-16.51) 43(-11.43,-1.27) 43(-11.43,-16.51) 44(-8.89,-1.27) 44(-8.89,-16.51) 45(-6.35,-1.27) 45(-6.35,-16.51) 46(-3.81,-1.27) 46(-3.81,-16.51) 47(-1.27,-1.27) 47(-1.27,-16.51) 48(1.27,-1.27) 48(1.27,-16.51) 49(3.81,-1.27) 49(3.81,-16.51) 50(6.35,-1.27) 50(6.35,-16.51) 51(8.89,-1.27) 51(8.89,-16.51) 52(11.43,-1.27) 52(11.43,-16.51) 53(13.97,-1.27) 53(13.97,-16.51) 54(16.51,-1.27) 54(16.51,-16.51) 55(19.05,-1.27) 55(19.05,-16.51) 56(21.59,-1.27) 56(21.59,-16.51) 57(24.13,-1.27) 57(24.13,-16.51) 58(26.67,-1.27) 58(26.67,-16.51) 59(29.21,-1.27) 59(29.21,-16.51) 60(31.75,-1.27) 60(31.75,-16.51) 61(34.29,-1.27) 61(34.29,-16.51) 62(36.83,-1.27) 62(36.83,-16.51)